# Altium PCB CATS-GS.PcbDoc (part 3 of 3)
Units mil, origin at the board's own origin, x right, y up, seen from the top; angles counter-clockwise.
Board outline 3543.31 x 3070.87 mil, 4 copper layers (Top Layer, Mid Layer 1, Mid Layer 2, Bottom Layer), stack 61.811 mil thick; 140 components, 103 nets, 565 pads, 394 vias.
Unrouted connection lines stored in the file: 23.
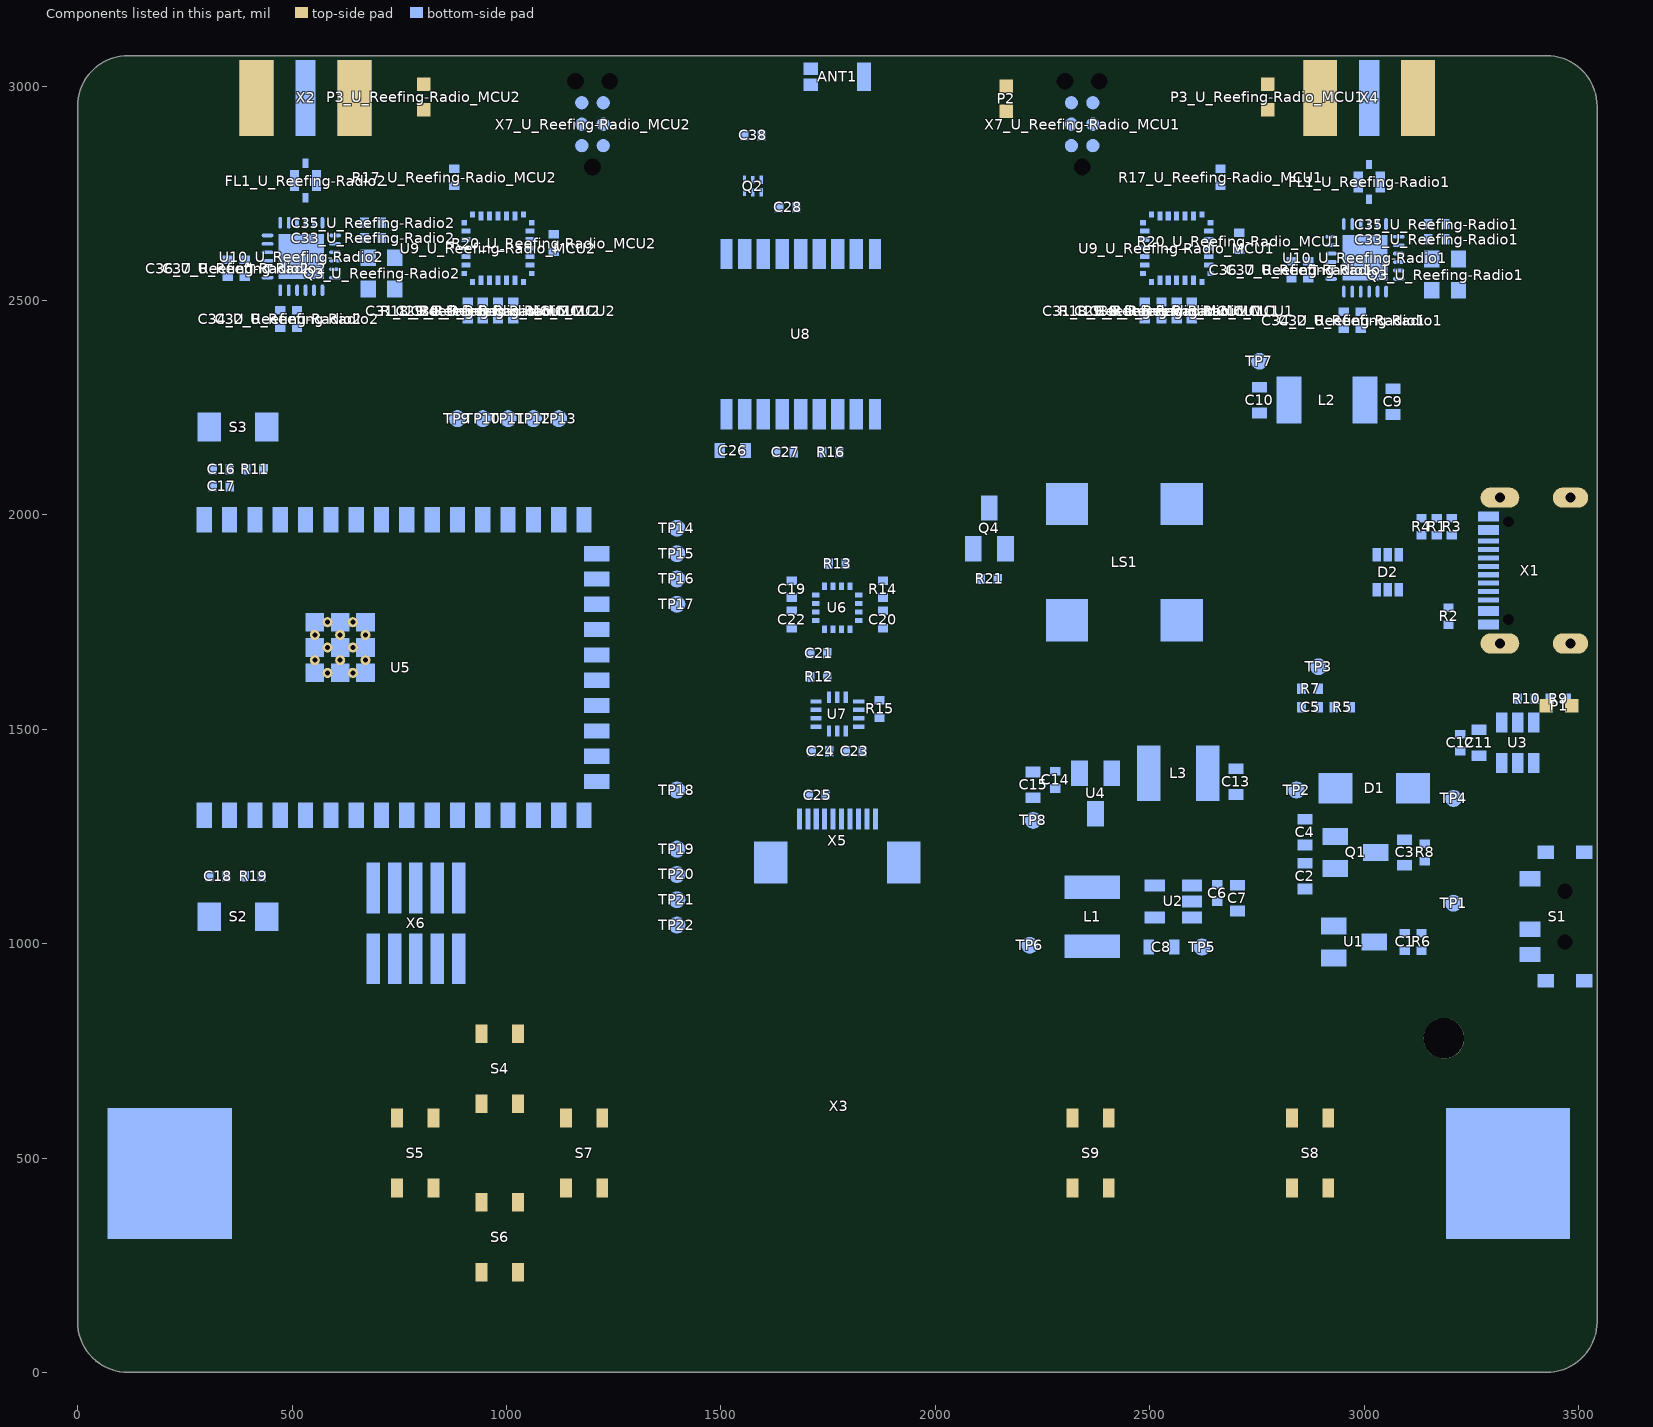
[diagram p5: the components of this part, seen from the top]

## Other copper (continued)
Multi-Layer:
  pour cut-out: 265.75,3070.87 265.75,659.45 0,659.45 0,3070.87
  pour cut-out: 1889.76,1909.45 1653.54,1909.45 1653.54,1661.42 1889.76,1661.42

## Silkscreen, mask and mechanical layers (free items; w line width, h text height)
Top Overlay:
  drawing of 10 lines, arcs and shapes, not listed
  text "1" at -0.49,2771.6 h314.96
  text "2" at 3306.6,2771.6 h314.96
  text "CHRG" at 3235.89,1534.15 h78.74
  text "ON" at 3328.44,1217.65 h157.48
  text "OFF" at 3308.76,823.95 h157.48
  text "B" at 2482.2,470.71 h157.48
  text "A" at 2788.78,470.71 h157.48
Bottom Overlay:
  drawing of 2 lines, arcs and shapes, not listed
  text "RX1" at 926.87,2352.36 h78.74 r90
  text "TX1" at 985.92,2352.36 h78.74 r90
  text "I1" at 1044.98,2352.36 h78.74 r90
  text "RX2" at 1104.03,2352.36 h78.74 r90
  text "TX2" at 1163.09,2352.36 h78.74 r90
  text "3V3A" at 2706.69,2321.16 h78.74
  text "BOOT" at 288.25,2162.53 h118.11
  text "March 2023" at 3336.74,2116.14 h98.43 r270
  text "Groundstaion Rev 2.1" at 3425.33,2116.14 h98.43 r270
  text "I2" at 1535.43,1927.46 h78.74
  text "SDA" at 1535.43,1868.41 h78.74
  text "SCL" at 1535.43,1809.35 h78.74
  text "INT" at 1535.43,1750.3 h78.74
  text "VSENS" at 3094.53,1602.66 h78.74
  text "VIN" at 2833.63,1337.36 h78.74
  text "VBUS" at 3386.52,1317.62 h78.74
  text "EXT" at 1545.28,1317.23 h78.74
  text "5V" at 2203.71,1248.33 h78.74
  text "VCOM" at 1348.43,1179.43 h78.74
  text "CS" at 1348.43,1120.38 h78.74
  text "VBAT" at 3386.3,1071.99 h78.74
  text "MOSI" at 1348.43,1061.32 h78.74
  text "RST" at 273.92,1020.8 h118.11
  text "SCK" at 1348.43,1002.26 h78.74
  text "3V3" at 2184.02,953.05 h78.74
  text "GND" at 2774.58,953.05 h78.74
Bottom Solder:
  rectangle: 1692.91,2824.8 1850.39,3070.87
Mechanical 1:
  lines w8: 0,118.11 ccw(c118.11,118.11) 118.11,0 3425.2,0 ccw(c3425.2,118.11) 3543.31,118.11 3543.31,629.92 3543.31,2125.98 3543.31,2952.76 ccw(c3425.2,2952.76) 3425.2,3070.87 3346.46,3070.87 2204.72,3070.87 1535.43,3070.87 1338.58,3070.87 118.11,3070.87 ccw(c118.11,2952.76) 0,2952.76 0,2874.02 0,118.11 ; 1535.43,925.2 ccw(c1555.12,925.2) 1555.12,905.51 1988.19,905.51 ccw(c1988.19,925.2) 2007.87,925.2 2007.87,1003.94 ccw(c1988.19,1003.94) 1988.19,1023.62 1555.12,1023.62 ccw(c1555.12,1003.94) 1535.43,1003.94 1535.43,925.2